# KiCad board ISA65816.kicad_pcb
title: FPGA Console board; company: Finitron
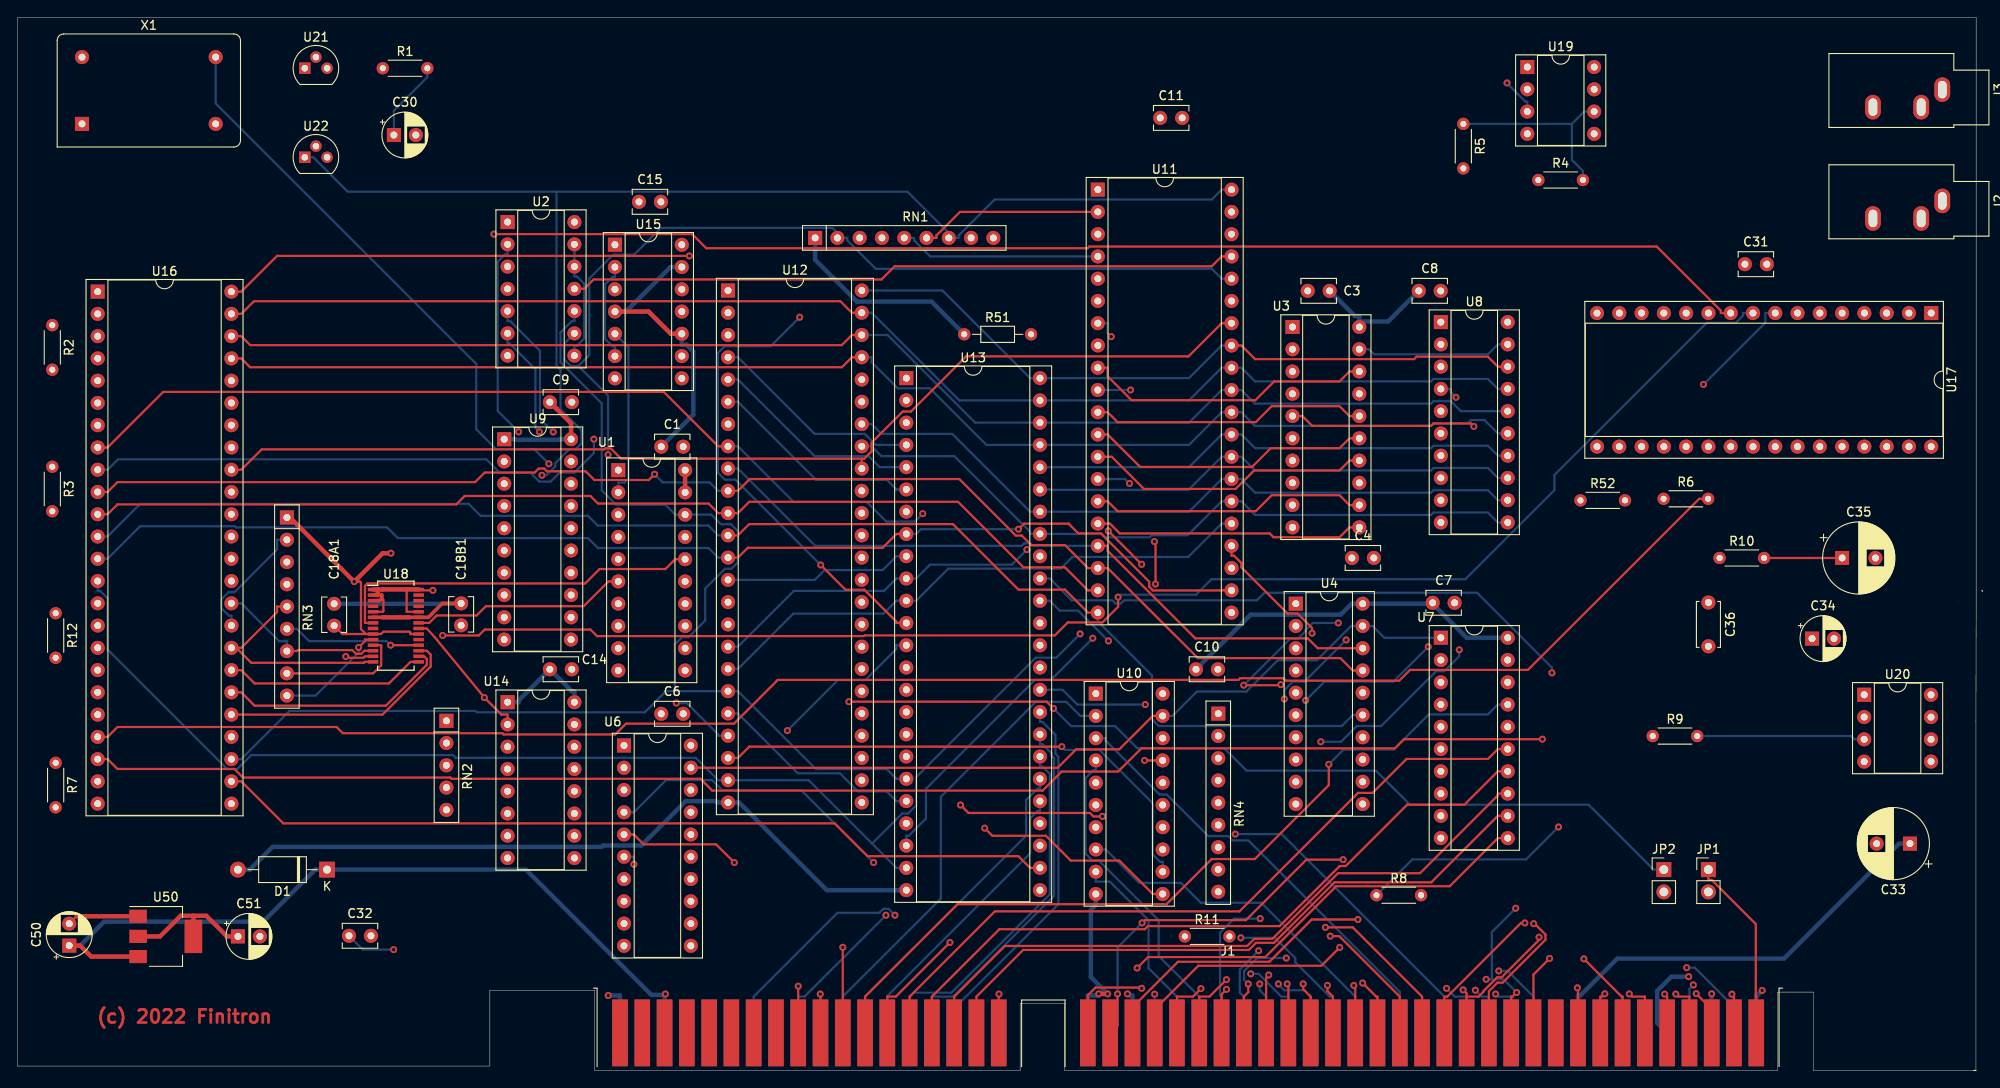
[diagram p0: board, top side]
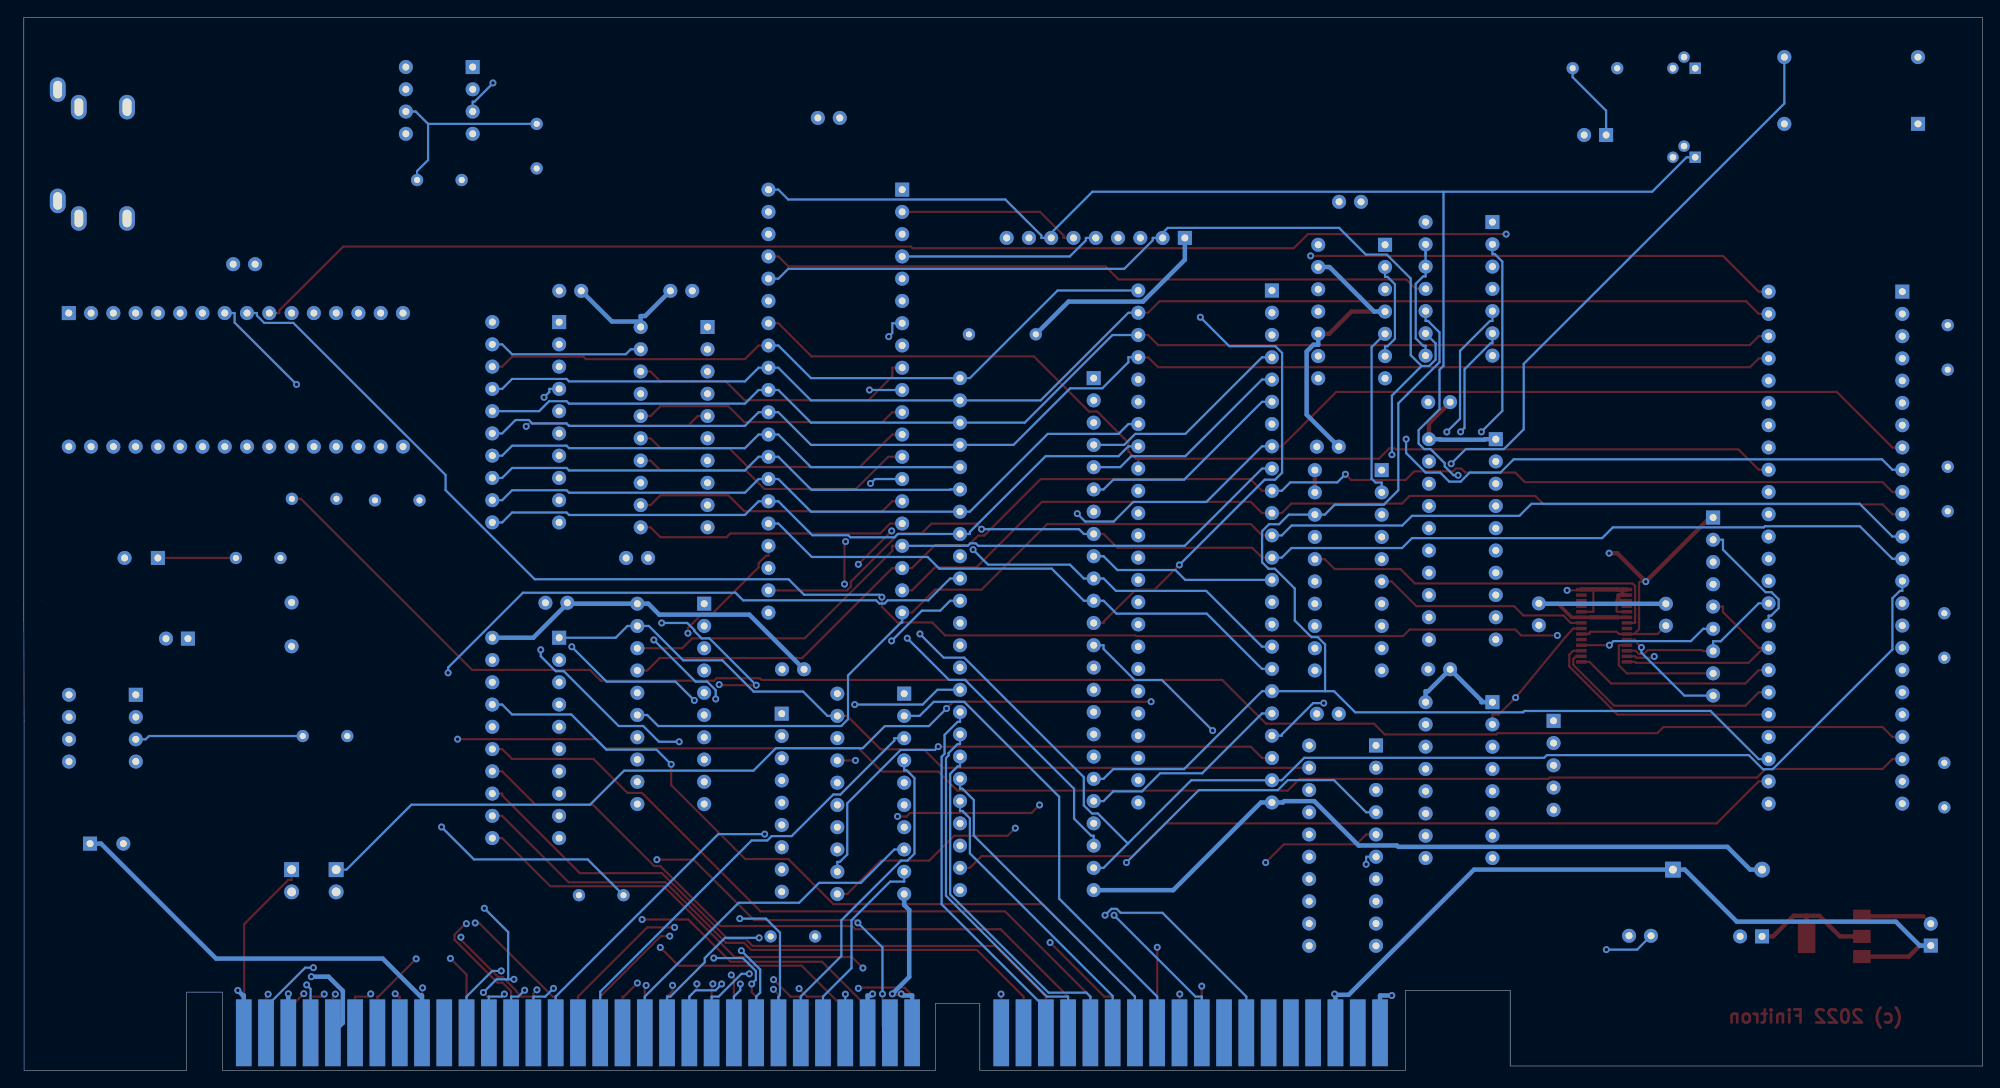
[diagram p1: board, bottom side, seen from below]

Outline 224.01 x 120.14 mm; copper layers: Top, In1.Cu, In2.Cu, Bottom. Coordinates in mm from the lower left corner of the outline.
Outline path: 0,120.14 223.29,120.14 223.29,52.96 223.27,39.88 223.27,0 204.72,0 204.72,8.94 200.66,8.94 200.66,0 119.38,0 119.38,7.65 114.3,7.65 114.3,0 65.79,0 65.79,9.14 53.85,9.14 53.85,0.51 0,0.51 0,120.14
Stack: Top 0.035mm / dielectric 0.48mm FR4 er 4.5 / In1.Cu 0.035mm / dielectric 1.51mm FR4 er 4.5 / In2.Cu 0.035mm / dielectric 1.51mm FR4 er 4.5 / Bottom 0.035mm

## Placement (name value [footprint] x y rotation side)
C1  0.1u  [C_Disc_D3.8mm_W2.6mm_P2.50mm]  73.39 71.18 0 top
C3  0.1u  [C_Disc_D3.8mm_W2.6mm_P2.50mm]  149.59 88.96 180 top
C4  0.1u  [C_Disc_D3.8mm_W2.6mm_P2.50mm]  152.13 58.48 0 top
C6  0.1u  [C_Disc_D3.8mm_W2.6mm_P2.50mm]  73.39 40.7 0 top
C7  0.1u  [C_Disc_D3.8mm_W2.6mm_P2.50mm]  161.33 53.37 0 top
C8  0.1u  [C_Disc_D3.8mm_W2.6mm_P2.50mm]  159.75 88.96 0 top
C9  0.1u  [C_Disc_D3.8mm_W2.6mm_P2.50mm]  60.69 76.26 0 top
C10  0.1u  [C_Disc_D3.8mm_W2.6mm_P2.50mm]  134.35 45.78 0 top
C11  0.1u  [C_Disc_D3.8mm_W2.6mm_P2.50mm]  130.27 108.69 0 top
C14  0.1u  [C_Disc_D3.8mm_W2.6mm_P2.50mm]  60.69 45.78 0 top
C15  0.1u  [C_Disc_D3.8mm_W2.6mm_P2.50mm]  70.85 99.12 0 top
C18A1  0.01u  [C_Disc_D3.8mm_W2.6mm_P2.50mm]  36.09 50.75 90 top
C18B1  0.01u  [C_Disc_D3.8mm_W2.6mm_P2.50mm]  50.57 53.29 270 top
C30  100u  [CP_Radial_D5.0mm_P2.50mm]  42.91 106.74 0 top
C31  0.1u  [C_Disc_D3.8mm_W2.6mm_P2.50mm]  196.93 92 0 top
C32  0.047u  [C_Disc_D3.8mm_W2.6mm_P2.50mm]  37.79 15.37 0 top
C33  100u  [CP_Radial_D8.0mm_P3.80mm]  215.75 25.88 180 top
C34  10u  [CP_Radial_D5.0mm_P2.50mm]  204.59 49.28 0 top
C35  220u  [CP_Radial_D8.0mm_P3.80mm]  208.01 58.48 0 top
C36  0.047u  [C_Disc_D5.0mm_W2.5mm_P5.00mm]  192.77 53.4 270 top
C50  10u  [CP_Radial_D5.0mm_P2.50mm]  5.89 14.25 90 top
C51  10u  [CP_Radial_D5.0mm_P2.50mm]  25.13 15.3 0 top
D1  DIODE  [D_A-405_P10.16mm_Horizontal]  35.29 22.92 180 top
J1  Bus_ISA_16bit  [BUS_AT]  198.22 4.29 0 top
J2  Audio In  [Jack_3.5mm_CUI_SJ1-3533NG_Horizontal]  219.43 99.22 270 top
J3  AudioJack2  [Jack_3.5mm_CUI_SJ1-3533NG_Horizontal]  219.43 111.92 270 top
JP1  Jumper_2_Open  [PinHeader_1x02_P2.54mm_Vertical]  192.77 22.92 0 top
JP2  Jumper_2_Bridged  [PinHeader_1x02_P2.54mm_Vertical]  187.69 22.92 0 top
R1  2k2  [R_Axial_DIN0204_L3.6mm_D1.6mm_P5.08mm_Horizontal]  41.64 114.36 0 top
R2  10k  [R_Axial_DIN0204_L3.6mm_D1.6mm_P5.08mm_Horizontal]  3.96 85.04 270 top
R3  10k  [R_Axial_DIN0204_L3.6mm_D1.6mm_P5.08mm_Horizontal]  3.96 68.88 270 top
R4  220k  [R_Axial_DIN0204_L3.6mm_D1.6mm_P5.08mm_Horizontal]  173.38 101.6 0 top
R5  10k  [R_Axial_DIN0204_L3.6mm_D1.6mm_P5.08mm_Horizontal]  164.83 108.01 270 top
R6  3k3  [R_Axial_DIN0204_L3.6mm_D1.6mm_P5.08mm_Horizontal]  187.66 65.23 0 top
R7  3k3  [R_Axial_DIN0204_L3.6mm_D1.6mm_P5.08mm_Horizontal]  4.34 35.1 270 top
R8  5k1  [R_Axial_DIN0204_L3.6mm_D1.6mm_P5.08mm_Horizontal]  154.93 20 0 top
R9  5k1  [R_Axial_DIN0204_L3.6mm_D1.6mm_P5.08mm_Horizontal]  186.42 38.16 0 top
R10  10  [R_Axial_DIN0204_L3.6mm_D1.6mm_P5.08mm_Horizontal]  194.04 58.48 0 top
R11  10k  [R_Axial_DIN0204_L3.6mm_D1.6mm_P5.08mm_Horizontal]  133.08 15.3 0 top
R12  3k3  [R_Axial_DIN0204_L3.6mm_D1.6mm_P5.08mm_Horizontal]  4.34 52.17 270 top
R51  2.2k  [R_Axial_DIN0204_L3.6mm_D1.6mm_P7.62mm_Horizontal]  107.93 84 0 top
R52  10k  [R_Axial_DIN0204_L3.6mm_D1.6mm_P5.08mm_Horizontal]  178.18 65.05 0 top
RN1  3k3  [R_Array_SIP9]  90.93 95 0 top
RN2  3k3  [R_Array_SIP5]  48.89 39.9 270 top
RN3  3k3  [R_Array_SIP9]  30.71 63.09 270 top
RN4  10k  [R_Array_SIP9]  136.89 40.71 270 top
U1  74LS240_Split  [DIP-20_W7.62mm_Socket]  68.49 68.5 0 top
U2  74LVC00  [DIP-14_W7.62mm_Socket]  55.86 96.8 0 top
U3  74LVC245  [DIP-20_W7.62mm_Socket]  145.35 84.83 0 top
U4  74LVC245  [DIP-20_W7.62mm_Socket]  145.73 53.26 0 top
U6  74LVC245  [DIP-20_W7.62mm_Socket]  69.14 37.08 0 top
U7  74LVC573  [DIP-20_W7.62mm_Socket]  162.27 49.37 0 top
U8  74LVC245  [DIP-20_W7.62mm_Socket]  162.27 85.39 0 top
U9  74LVC245  [DIP-20_W7.62mm_Socket]  55.48 72.03 0 top
U10  74LVC245  [DIP-20_W7.62mm_Socket]  122.93 43 0 top
U11  W65C816SP  [DIP-40_W15.24mm_Socket]  123.16 100.5 0 top
U12  CModA7  [DIP-48_W15.24mm_Socket]  81 89 0 top
U13  CModA7  [DIP-48_W15.24mm_Socket]  101.32 79 0 top
U14  74LVC163  [DIP-16_W7.62mm_Socket]  55.86 42.02 0 top
U15  74LVC74  [DIP-14_W7.62mm_Socket]  68.11 94.21 0 top
U16  CModA7  [DIP-48_W15.24mm_Socket]  9.14 88.86 0 top
U17  VDIP2-32  [DIP-32_W15.24mm_Socket]  218.17 86.42 270 top
U18  ICS525R-02  [SSOP-28_3.9x9.9mm_P0.635mm]  43.13 50.75 0 top
U19  LM741  [DIP-8_W7.62mm_Socket]  172.12 114.49 0 top
U20  LM386  [DIP-8_W7.62mm_Socket]  210.53 42.87 0 top
U21  DS1818  [TO-92]  32.75 114.36 0 top
U22  DS1818  [TO-92]  32.75 104.2 0 top
U50  AMS1117-3.3  [SOT-223-3_TabPin2]  16.9 15.3 0 top
X1  14.31818 MHz  [Oscillator_DIP-14]  7.35 108.01 0 top

## Footprints (pads in the part's own frame, mm; a bottom-side part is the same pattern mirrored in y, then rotated)
BUS_AT
  rect 1.78x7.62 smd far side: 1(0,0) 2(-2.54,0) 3(-5.08,0) 4(-7.62,0) 5(-10.16,0) 6(-12.7,0) 7(-15.24,0) 8(-17.78,0) 9(-20.32,0) 10(-22.86,0) 11(-25.4,0) 12(-27.94,0) 13(-30.48,0) 14(-33.02,0) 15(-35.56,0) 16(-38.1,0) 17(-40.64,0) 18(-43.18,0) 19(-45.72,0) 20(-48.26,0) 21(-50.8,0) 22(-53.34,0) 23(-55.88,0) 24(-58.42,0) 25(-60.96,0) 26(-63.5,0) 27(-66.04,0) 28(-68.58,0) 29(-71.12,0) 30(-73.66,0) 31(-76.2,0) 63(-86.36,0) 64(-88.9,0) 65(-91.44,0) 66(-93.98,0) 67(-96.52,0) 68(-99.06,0) 69(-101.6,0) 70(-104.14,0) 71(-106.68,0) 72(-109.22,0) 73(-111.76,0) 74(-114.3,0) 75(-116.84,0) 76(-119.38,0) 77(-121.92,0) 78(-124.46,0) 79(-127,0) 80(-129.54,0)
  rect 1.78x7.62 smd: 32(0,0) 33(-2.54,0) 34(-5.08,0) 35(-7.62,0) 36(-10.16,0) 37(-12.7,0) 38(-15.24,0) 39(-17.78,0) 40(-20.32,0) 41(-22.86,0) 42(-25.4,0) 43(-27.94,0) 44(-30.48,0) 45(-33.02,0) 46(-35.56,0) 47(-38.1,0) 48(-40.64,0) 49(-43.18,0) 50(-45.72,0) 51(-48.26,0) 52(-50.8,0) 53(-53.34,0) 54(-55.88,0) 55(-58.42,0) 56(-60.96,0) 57(-63.5,0) 58(-66.04,0) 59(-68.58,0) 60(-71.12,0) 61(-73.66,0) 62(-76.2,0) 81(-86.36,0) 82(-88.9,0) 83(-91.44,0) 84(-93.98,0) 85(-96.52,0) 86(-99.06,0) 87(-101.6,0) 88(-104.14,0) 89(-106.68,0) 90(-109.22,0) 91(-111.76,0) 92(-114.3,0) 93(-116.84,0) 94(-119.38,0) 95(-121.92,0) 96(-124.46,0) 97(-127,0) 98(-129.54,0)
C_Disc_D3.8mm_W2.6mm_P2.50mm
  round 1.6 hole 0.8: 1(0,0) 2(2.5,0)
C_Disc_D5.0mm_W2.5mm_P5.00mm
  round 1.6 hole 0.8: 1(0,0) 2(5,0)
CP_Radial_D5.0mm_P2.50mm
  rect 1.6x1.6 hole 0.8: 1(0,0)
  round 1.6 hole 0.8: 2(2.5,0)
CP_Radial_D8.0mm_P3.80mm
  rect 1.6x1.6 hole 0.8: 1(0,0)
  round 1.6 hole 0.8: 2(3.8,0)
D_A-405_P10.16mm_Horizontal
  rect 1.8x1.8 hole 0.9: 1(0,0)
  oval 1.8x1.8 hole 0.9: 2(10.16,0)
DIP-8_W7.62mm_Socket
  rect 1.6x1.6 hole 0.8: 1(0,0)
  oval 1.6x1.6 hole 0.8: 2(0,-2.54) 3(0,-5.08) 4(0,-7.62) 5(7.62,-7.62) 6(7.62,-5.08) 7(7.62,-2.54) 8(7.62,0)
DIP-14_W7.62mm_Socket
  rect 1.6x1.6 hole 0.8: 1(0,0)
  oval 1.6x1.6 hole 0.8: 2(0,-2.54) 3(0,-5.08) 4(0,-7.62) 5(0,-10.16) 6(0,-12.7) 7(0,-15.24) 8(7.62,-15.24) 9(7.62,-12.7) 10(7.62,-10.16) 11(7.62,-7.62) 12(7.62,-5.08) 13(7.62,-2.54) 14(7.62,0)
DIP-16_W7.62mm_Socket
  rect 1.6x1.6 hole 0.8: 1(0,0)
  oval 1.6x1.6 hole 0.8: 2(0,-2.54) 3(0,-5.08) 4(0,-7.62) 5(0,-10.16) 6(0,-12.7) 7(0,-15.24) 8(0,-17.78) 9(7.62,-17.78) 10(7.62,-15.24) 11(7.62,-12.7) 12(7.62,-10.16) 13(7.62,-7.62) 14(7.62,-5.08) 15(7.62,-2.54) 16(7.62,0)
DIP-20_W7.62mm_Socket
  rect 1.6x1.6 hole 0.8: 1(0,0)
  oval 1.6x1.6 hole 0.8: 2(0,-2.54) 3(0,-5.08) 4(0,-7.62) 5(0,-10.16) 6(0,-12.7) 7(0,-15.24) 8(0,-17.78) 9(0,-20.32) 10(0,-22.86) 11(7.62,-22.86) 12(7.62,-20.32) 13(7.62,-17.78) 14(7.62,-15.24) 15(7.62,-12.7) 16(7.62,-10.16) 17(7.62,-7.62) 18(7.62,-5.08) 19(7.62,-2.54) 20(7.62,0)
DIP-32_W15.24mm_Socket
  rect 1.6x1.6 hole 0.8: 1(0,0)
  oval 1.6x1.6 hole 0.8: 2(0,-2.54) 3(0,-5.08) 4(0,-7.62) 5(0,-10.16) 6(0,-12.7) 7(0,-15.24) 8(0,-17.78) 9(0,-20.32) 10(0,-22.86) 11(0,-25.4) 12(0,-27.94) 13(0,-30.48) 14(0,-33.02) 15(0,-35.56) 16(0,-38.1) 17(15.24,-38.1) 18(15.24,-35.56) 19(15.24,-33.02) 20(15.24,-30.48) 21(15.24,-27.94) 22(15.24,-25.4) 23(15.24,-22.86) 24(15.24,-20.32) 25(15.24,-17.78) 26(15.24,-15.24) 27(15.24,-12.7) 28(15.24,-10.16) 29(15.24,-7.62) 30(15.24,-5.08) 31(15.24,-2.54) 32(15.24,0)
DIP-40_W15.24mm_Socket
  rect 1.6x1.6 hole 0.8: 1(0,0)
  oval 1.6x1.6 hole 0.8: 2(0,-2.54) 3(0,-5.08) 4(0,-7.62) 5(0,-10.16) 6(0,-12.7) 7(0,-15.24) 8(0,-17.78) 9(0,-20.32) 10(0,-22.86) 11(0,-25.4) 12(0,-27.94) 13(0,-30.48) 14(0,-33.02) 15(0,-35.56) 16(0,-38.1) 17(0,-40.64) 18(0,-43.18) 19(0,-45.72) 20(0,-48.26) 21(15.24,-48.26) 22(15.24,-45.72) 23(15.24,-43.18) 24(15.24,-40.64) 25(15.24,-38.1) 26(15.24,-35.56) 27(15.24,-33.02) 28(15.24,-30.48) 29(15.24,-27.94) 30(15.24,-25.4) 31(15.24,-22.86) 32(15.24,-20.32) 33(15.24,-17.78) 34(15.24,-15.24) 35(15.24,-12.7) 36(15.24,-10.16) 37(15.24,-7.62) 38(15.24,-5.08) 39(15.24,-2.54) 40(15.24,0)
DIP-48_W15.24mm_Socket
  rect 1.6x1.6 hole 0.8: 1(0,0)
  oval 1.6x1.6 hole 0.8: 2(0,-2.54) 3(0,-5.08) 4(0,-7.62) 5(0,-10.16) 6(0,-12.7) 7(0,-15.24) 8(0,-17.78) 9(0,-20.32) 10(0,-22.86) 11(0,-25.4) 12(0,-27.94) 13(0,-30.48) 14(0,-33.02) 15(0,-35.56) 16(0,-38.1) 17(0,-40.64) 18(0,-43.18) 19(0,-45.72) 20(0,-48.26) 21(0,-50.8) 22(0,-53.34) 23(0,-55.88) 24(0,-58.42) 25(15.24,-58.42) 26(15.24,-55.88) 27(15.24,-53.34) 28(15.24,-50.8) 29(15.24,-48.26) 30(15.24,-45.72) 31(15.24,-43.18) 32(15.24,-40.64) 33(15.24,-38.1) 34(15.24,-35.56) 35(15.24,-33.02) 36(15.24,-30.48) 37(15.24,-27.94) 38(15.24,-25.4) 39(15.24,-22.86) 40(15.24,-20.32) 41(15.24,-17.78) 42(15.24,-15.24) 43(15.24,-12.7) 44(15.24,-10.16) 45(15.24,-7.62) 46(15.24,-5.08) 47(15.24,-2.54) 48(15.24,0)
Jack_3.5mm_CUI_SJ1-3533NG_Horizontal
  oval 2.8x1.8 hole 2x1: R(2,-7.9) S(0,0) T(2,-2.4)
Oscillator_DIP-14
  rect 1.6x1.6 hole 0.8: 1(0,0)
  round 1.6 hole 0.8: 7(15.24,0) 8(15.24,7.62) 14(0,7.62)
PinHeader_1x02_P2.54mm_Vertical
  rect 1.7x1.7 hole 1: 1(0,0)
  oval 1.7x1.7 hole 1: 2(0,-2.54)
R_Array_SIP5
  rect 1.6x1.6 hole 0.8: 1(0,0)
  oval 1.6x1.6 hole 0.8: 2(2.54,0) 3(5.08,0) 4(7.62,0) 5(10.16,0)
R_Array_SIP9
  rect 1.6x1.6 hole 0.8: 1(0,0)
  oval 1.6x1.6 hole 0.8: 2(2.54,0) 3(5.08,0) 4(7.62,0) 5(10.16,0) 6(12.7,0) 7(15.24,0) 8(17.78,0) 9(20.32,0)
R_Axial_DIN0204_L3.6mm_D1.6mm_P5.08mm_Horizontal
  round 1.4 hole 0.7: 1(0,0)
  oval 1.4x1.4 hole 0.7: 2(5.08,0)
R_Axial_DIN0204_L3.6mm_D1.6mm_P7.62mm_Horizontal
  round 1.4 hole 0.7: 1(0,0)
  oval 1.4x1.4 hole 0.7: 2(7.62,0)
SOT-223-3_TabPin2
  rect 2x1.5 smd: 1(-3.15,2.3) 2(-3.15,0) 3(-3.15,-2.3)
  rect 2x3.8 smd: 2(3.15,0)
SSOP-28_3.9x9.9mm_P0.635mm
  rect 1.2x0.4 smd: 1(-2.6,4.128) 2(-2.6,3.493) 3(-2.6,2.857) 4(-2.6,2.223) 5(-2.6,1.587) 6(-2.6,0.953) 7(-2.6,0.318) 8(-2.6,-0.318) 9(-2.6,-0.953) 10(-2.6,-1.587) 11(-2.6,-2.223) 12(-2.6,-2.857) 13(-2.6,-3.493) 14(-2.6,-4.128) 15(2.6,-4.128) 16(2.6,-3.493) 17(2.6,-2.857) 18(2.6,-2.223) 19(2.6,-1.587) 20(2.6,-0.953) 21(2.6,-0.318) 22(2.6,0.318) 23(2.6,0.953) 24(2.6,1.587) 25(2.6,2.223) 26(2.6,2.857) 27(2.6,3.493) 28(2.6,4.128)
TO-92
  rect 1.3x1.3 hole 0.75: 1(0,0)
  round 1.3 hole 0.75: 2(1.27,1.27) 3(2.54,0)

## Nets
+3.3V: C1.1 C3.1 C4.1 C6.1 C7.1 C8.1 C9.1 C10.1 C11.1 C14.1 C15.1 C18A1.2 C18B1.1 C51.1 R1.1 R6.1 R7.1 R12.1 R51.1 RN1.1 RN2.1 RN4.1 U1.19 U1.20 U2.14 U3.20 U4.20 U6.20 U7.20 U8.20 U9.1 U9.20 U10.20 U11.8 U14.1 U14.7 U14.10 U14.16 U15.1 U15.4 U15.10 U15.13 U15.14 U18.6 U18.23 U21.2 U50.2
+5V: C50.1 D1.1 J1.3 J1.29 J1.78 U17.1 U19.7 U50.3 X1.1 X1.14
+12V: C33.1 J1.9 U20.6
-5V: J1.5 U19.4
/Clkgen/V1: RN3.8 U16.35 U18.11
/Clkgen/V2: RN3.7 U16.34 U18.12
/Clkgen/V3: RN3.2 U16.33 U18.13
/Clkgen/V4: RN3.5 U16.32 U18.14
/Clkgen/V5: RN3.4 U16.31 U18.15
/Clkgen/V6: RN3.3 U16.30 U18.16
/Clkgen/V7: R12.2 U16.29 U18.17
/Clkgen/V8: RN3.6 U16.28 U18.18
GND: C1.2 C3.2 C4.2 C6.2 C7.2 C8.2 C9.2 C10.2 C11.2 C14.2 C15.2 C18A1.1 C18B1.2 C30.2 C32.2 C33.2 C36.2 C50.2 C51.2 J1.1 J1.31 J1.80 J2.S J3.S R2.1 R3.1 R9.1 R11.2 R52.2 RN3.1 U1.1 U1.10 U1.11 U1.13 U1.15 U1.17 U2.7 U3.1 U3.10 U4.1 U4.10 U6.1 U6.10 U7.10 U8.10 U9.10 U9.19 U10.1 U10.10 U11.21 U12.25 U13.25 U14.8 U15.7 U15.11 U15.12 U16.25 U17.4 U17.5 U17.7 U17.18 U18.1 U18.2 U18.3 U18.5 U18.9 U18.20 U18.24 U18.28 U20.2 U20.4 U21.3 U22.3 U50.1 X1.7
/A0: J1.62 U3.2
/A1: J1.61 U3.3
/A2: J1.60 U3.4
/A3: J1.59 U3.5
/A4: J1.58 U3.6
/A5: J1.57 U3.7
/A6: J1.56 U3.8
/A7: J1.55 U3.9
/A8: J1.54 U4.2
/A9: J1.53 U4.3
/A10: J1.52 U4.4
/A11: J1.51 U4.5
/A12: J1.50 U4.6
/A13: J1.49 U4.7
/A14: J1.48 U4.8
/A15: J1.47 U4.9
/A16: J1.46 U7.19
/A17: J1.45 J1.88 U7.18
/A18: J1.44 J1.87 U7.17
/A19: J1.43 J1.86 U7.16
/A20: J1.85 U7.15
/A21: J1.84 U7.14
/A22: J1.83 U7.13
/A23: J1.82 U7.12
/ABORTB: RN1.3 U11.3
/AEN: J1.42 R52.1 U3.19 U4.19 U6.19 U7.1 U8.19 U10.19
/ALE: J1.28 U6.8
/BE: RN1.2 U2.9 U11.36 U12.21
/Clkgen/ANAIN: R5.2 U16.15
/Clkgen/AUD: C32.1 R8.2 U16.23
/Clkgen/CTS0: U16.19 U17.9
/Clkgen/GCLK: U2.2 U14.2 U18.21
/Clkgen/Q1: RN2.2 U14.3 U16.39
/Clkgen/Q2: RN2.3 U14.4 U16.38
/Clkgen/Q3: RN2.4 U14.5 U16.37
/Clkgen/Q4: RN2.5 U14.6 U16.36
/Clkgen/RTS0: U16.20 U17.10
/Clkgen/RxD0: U16.17 U17.6
/Clkgen/TxD0: U16.18 U17.8
/Clkgen/VPROG: R7.2 U16.22 U17.23
/Clkgen/VRESET: R6.2 U16.21 U17.22
/D0: J1.40 U8.2
/D1: J1.39 U8.3
/D2: J1.38 U8.4
/D3: J1.37 U8.5
/D4: J1.36 U8.6
/D5: J1.35 U8.7
/D6: J1.34 U8.8
/D7: J1.33 U8.9
/DACK0*: RN4.2 U10.18 U12.38
/DACK1*: RN4.3 U10.17 U12.36
/DACK2*: RN4.4 U10.16 U12.34
/DACK3*: RN4.5 U10.15 U12.32
/DACK5*: RN4.6 U10.14 U12.30
/DACK6*: RN4.7 U10.13 U12.28
/DRQ0: U9.18 U12.39
/DRQ1: U9.17 U12.37
/DRQ2: U9.16 U12.35
/DRQ3: U9.15 U12.33
/DRQ5: U9.14 U12.31
/DRQ6: U9.13 U12.29
/IOR*: J1.14 U6.4
/IORDU*: U6.16 U13.28
/IOW*: J1.13 U6.5
/IOWRU*: U6.15 U13.27
/IRQ2*: J1.4 U13.39
/IRQ3*: J1.25 U13.38
/IRQ4*: J1.24 U13.37
/IRQ5*: J1.23 U13.36
/IRQ6*: J1.22 U13.35
/IRQ7*: J1.21 U13.34
/IRQ9*: U12.20 U13.20
/IRQ10*: J1.65 U13.33
/IRQ11*: J1.66 U13.32
/IRQ12*: J1.67 U13.31
/IRQ14*: J1.69 U13.30
/IRQ15*: J1.68 U13.29
/IRQ*: RN1.5 U11.4 U13.12
/MEMR*: J1.89 U6.2
/MEMRU*: U6.18 U13.13
/MEMW*: J1.90 U6.3
/MEMWU*: U6.17 U13.14
/MLB: U11.5
/NMI*: JP1.2 R51.2 U11.6
/NMIB: RN1.4 U21.1
/OSC: J1.30
/RDY: RN1.6 U11.2
/REFRESH*: RN4.8 U10.12 U12.22
/RESET: JP2.1 U1.12
/SBHE: J1.81 U6.9
/SMEMR*: J1.12 U6.6
/SMEMRDU*: U6.14
/SMEMRU*: U13.17
/SMEMW*: J1.11 U6.7
/SMEMWRU*: U6.13
/SMEMWU*: U13.18
/TC: R11.1 U10.11 U12.27
/VPA: U11.7 U13.22
/VPB: U13.21
/VPB*: U11.1
/XDACK0*: J1.70 U10.2
/XDACK1*: J1.17 U10.3
/XDACK2*: J1.26 U10.4
/XDACK3*: J1.15 U10.5
/XDACK5*: J1.72 U10.6
/XDACK6*: J1.74 U10.7
/XDRQ0: U9.2
/XDRQ0*: J1.71
/XDRQ1: U9.3
/XDRQ1*: J1.18
/XDRQ2: U9.4
/XDRQ2*: J1.6
/XDRQ3: U9.5
/XDRQ3*: J1.16
/XDRQ5: U9.6
/XDRQ5*: J1.73
/XDRQ6: U9.7
/XDRQ6*: J1.75
/XREFRESH*: J1.19 U10.8
/XTC: J1.27 U10.9
BA0: U7.2 U8.18 U11.33 U12.48 U13.48 U16.48
BA1: U7.3 U8.17 U11.32 U12.47 U13.47 U16.47
BA2: U7.4 U8.16 U11.31 U12.46 U13.46 U16.46
BA3: U7.5 U8.15 U11.30 U12.45 U13.45 U16.45
BA4: U7.6 U8.14 U11.29 U12.44 U13.44 U16.44
BA5: U7.7 U8.13 U11.28 U12.43 U13.43 U16.43
BA6: U7.8 U8.12 U11.27 U12.42 U13.42 U16.42
BA7: U7.9 U8.11 U11.26 U12.41 U13.41 U16.41
IRQ1*: U13.26 U16.26
OSC: U1.14
PH1: U1.2 U6.12 U7.11 U15.5
PH2: J1.20 U1.18 U2.10 U12.19 U13.19 U16.27
RESB: RN1.7 U1.8 U11.40 U22.1
RWB: U8.1 U11.34 U12.40 U13.40 U16.40
VDA: U11.39 U12.23 U13.23 U16.14
VU: D1.2 U12.24 U13.24 U16.24
WA0: U3.18 U11.9 U12.1 U13.1 U16.1
WA1: U3.17 U11.10 U12.2 U13.2 U16.2
WA2: U3.16 U11.11 U12.3 U13.3 U16.3
WA3: U3.15 U11.12 U12.4 U13.4 U16.4
WA4: U3.14 U11.13 U12.5 U13.5 U16.5
WA5: U3.13 U11.14 U12.6 U13.6 U16.6
WA6: U3.12 U11.15 U12.7 U13.7 U16.7
WA7: U3.11 U11.16 U12.8 U16.8
WA8: U4.18 U11.17 U12.9 U16.9
WA9: U4.17 U11.18 U12.10 U16.10
WA10: U4.16 U11.19 U12.11 U16.11
WA11: U4.15 U11.20 U12.12 U16.12
WA12: U4.14 U11.22 U12.13 U13.8 U16.13
WA13: U4.13 U11.23 U12.14 U13.9
WA14: U4.12 U11.24 U12.17 U13.10
WA15: U4.11 U11.25 U12.18 U13.11
Net-(C30-Pad1): C30.1 R1.2 U22.2
Net-(C31-Pad1): C31.1 J2.T
Net-(C31-Pad2): C31.2 R3.2 U19.2
Net-(C34-Pad1): C34.1 U20.1
Net-(C34-Pad2): C34.2 U20.8
Net-(C35-Pad1): C35.1 R10.2 U20.5
Net-(C35-Pad2): C35.2 J3.T
Net-(C36-Pad1): C36.1 R10.1
Net-(J1-Pad2): J1.2 JP2.2
Net-(J1-Pad32): J1.32 JP1.1
Net-(R2-Pad2): R2.2 R4.1 U19.3
Net-(R4-Pad2): R4.2 R5.1 U19.6
Net-(R8-Pad1): R8.1 R9.2 U20.3
Net-(RN3-Pad9): RN3.9 U18.10
Net-(U1-Pad4): U1.4 X1.8
Net-(U1-Pad6): U1.6 U18.22
Net-(U1-Pad16): U1.16 U18.7
Net-(U2-Pad12): U2.8 U2.12 U2.13
Net-(U11-Pad37): U2.11 U11.37
Net-(U14-Pad9): U2.6 U14.9
Net-(U14-Pad15): U2.1 U2.4 U2.5 U14.15
Net-(U15-Pad2): U15.2 U15.6
Net-(U15-Pad3): U2.3 U15.3

Pads without a net: J1 7 8 10 41 63 64 76 77 79 91 92 93 94 95 96 97 98; J2 R; J3 R; RN1 8 9; RN4 9; U1 3 5 7 9; U6 11; U9 8 9 11 12; U11 35 38; U12 15 16 26; U13 15 16; U14 11 12 13 14; U15 8 9; U16 16; U17 2 3 11 12 13 14 15 16 17 19 20 21 24 25 26 27 28 29 30 31 32; U18 4 8 19 25 26 27; U19 1 5 8; U20 7

## Via types
v1: diameter 0.8, hole 0.4, Top to Bottom, 131 vias

## Routing (per net, layer and track width the routed paths; a pad name or vN(x,y) marks a point on that pad's centre or on a via; arc(x,y) is an arc through that point)
+3.3V: length 593.2
  Top w0.4: 41.58,51.7 U18.6 ; 44.68,51.7 U18.23 46.83,51.7 48.42,53.29 C18B1.1
  Top w0.504: 20.05,17.65 21.52,17.65 23.88,15.3 25.13,15.3 C51.1 ; 20.05,17.65 U50.2 ; 20.05,17.65 18.6,17.65 16.24,15.3 13.75,15.3 U50.2 ; 61.49,75.46 C9.1 61.49,75.46 ; 61.49,75.46 63.1,73.84 U9.20 ; U15.10 74.47,84.05 71.94,86.59 U15.4 ; U1.20 U1.19 ; 41.58,51.7 44.68,51.7
  In1.Cu w0.504: 169.26,85.39 U8.20 ; 169.26,85.39 169.88,85.39 169.88,84.14 170.43,84.14 181.34,73.23 181.34,70.63 186.74,65.23 187.2,65.23 ; 169.26,85.39 168.63,85.39 167.38,86.64 162.06,86.64 C8.1 ; 76.35,94.21 76.98,94.21 77.76,95 RN1.1 ; 76.35,94.21 75.75,94.21 ; 76.35,94.21 75.73,93.59 U15.13 ; U9.1 55.48,70.78 54.94,70.78 50.57,66.41 C18B1.1 49.32,52.04 49.32,41.69 ; 76.76,37.71 U6.20 76.76,37.71 ; 76.76,37.71 76.76,38.34 75.75,38.34 73.39,40.7 ; 152.13,57.1 152.13,55.73 153.35,54.51 U4.20 ; 152.13,57.1 C4.1 152.13,57.11 152.13,57.1 ; R7.1 3.19,36.25 3.19,51.02 R12.1 ; R7.1 3.76,34.52 ; R7.1 3.76,34.52 ; 73.39,40.7 72.06,42.02 U14.16 ; 73.39,40.7 C6.1 ; 187.2,65.23 R6.1 ; 187.2,65.23 R6.1 ; R6.1 171.8,49.37 169.89,49.37 ; 3.76,34.52 3.18,33.94 3.18,29.54 17.42,15.3 25.13,15.3 C51.1 26.44,13.98 41.82,13.98 54.61,26.78 U14.7 57.19,26.78 ; U10.20 130.55,43 131.8,43 131.8,43.23 134.35,45.78 C10.1 134.35,44.5 136.89,41.96 136.89,41.34 ; 69.57,97.84 C15.1 ; 69.57,97.84 67.65,95.92 ; 69.57,97.84 C15.1 ; C15.1 75.75,94.21 ; R51.1 109.2,82.72 U11.8 123.16,83.98 123.7,83.98 130.78,91.05 ; C11.1 130.27,91.56 130.78,91.05 ; 75.75,94.21 U15.14 ; 57.19,26.78 57.19,40 56.41,40.77 55.86,40.77 U14.1 54.61,42.02 54.28,41.69 49.32,41.69 ; 57.19,26.78 U14.10 ; U15.1 68.11,95.47 67.65,95.92 ; 136.89,41.34 RN4.1 136.89,41.34 ; 67.65,95.92 66.77,96.8 U2.14 59.19,96.8 R1.1 40.37,115.63 U21.2 ; C3.1 148.33,90.22 146.5,90.22 145.35,89.07 132.76,89.07 130.78,91.05 ; 169.89,49.37 U7.20 ; 169.89,49.37 169.88,49.37 ; U9.20 64.36,72.03 65.21,71.18 C1.1 74.86,69.71 74.86,68.5 U1.20 ; 49.32,41.69 49.32,41.57 48.89,41.15 RN2.1
  Bottom w0.504: C10.1 134.35,45.78 140.58,52.01 150.84,52.01 152.1,53.26 U4.20 161.33,53.26 ; C18B1.1 50.53,53.25 C18A1.2 ; U3.20 152.97,85.46 ; 152.97,85.46 152.97,86.08 152.46,86.08 C3.1 ; 152.97,85.46 156.25,85.46 C8.1 ; 161.33,53.26 C7.1 ; 161.33,53.26 165.22,49.37 169.88,49.37 U7.20 ; C1.1 77.04,74.83 77.04,82.03 76.28,82.8 75.73,82.8 U15.10 ; U14.16 63.48,43.27 63.19,43.27 60.69,45.78 60.24,45.33 ; U9.1 56.74,72.03 56.8,71.97 61.79,71.97 61.85,72.03 U9.20 ; U15.13 74.44,91.67 69.36,86.59 U15.4 ; 60.24,45.33 57.12,42.21 57.12,42.02 U14.1 ; 60.24,45.33 C14.1 ; RN1.1 90.93,92.5 95.71,87.73 104.2,87.73 R51.1
+5V: length 477
  Top w0.504: U50.3 13.75,13 8.4,13 7.15,14.25 C50.1
  In1.Cu w0.504: C50.1 2.46,17.68 2.46,101.87 7.35,106.75 X1.1 X1.14 ; 126.53,7.86 v1(126.53,8.74) ; 126.53,7.86 130.4,3.99 191.96,3.99 196.3,8.34 196.3,9.6 ; 126.53,7.86 121.36,7.86 121.05,8.17 114.14,8.17 112.92,6.95 75.62,6.95 v1(73.85,8.72) ; 179.74,111.33 179.74,110.7 180.29,110.7 195.14,95.84 195.14,91.97 197.12,90 206.28,90 209.28,87.01 209.28,85.89 210.63,84.54 216.92,84.54 ; 179.74,111.33 U19.7 179.74,111.33 ; v1(193.14,8.75) 194,9.6 196.3,9.6 ; 218.17,85.8 218.17,85.17 217.54,84.54 216.92,84.54 ; 218.17,85.8 U17.1 218.17,85.8 ; 216.92,84.54 216.92,69.62 198.12,50.83 198.12,11.42 196.3,9.6
  Bottom w0.504: 35.29,22.92 57.96,22.92 72.25,8.63 73.76,8.63 ; 35.29,22.92 D1.1 ; 35.29,22.92 33.94,22.92 28,16.98 9.87,16.98 7.15,14.25 C50.1 ; J1.78 73.76,4.29 73.76,8.63 ; v1(193.14,8.75) 193.14,4.29 J1.3 ; 73.76,8.63 v1(73.85,8.72) ; J1.29 127.1,4.29 127.1,8.56 126.72,8.56 v1(126.53,8.74)
+12V: length 62.2
  In1.Cu w0.504: U20.6 215.75,35.39 215.75,25.88 C33.1
  Bottom w0.504: J1.9 177.9,4.29 177.9,8.56 178.16,8.56 182.37,12.76 201.38,12.76 214.49,25.88 C33.1
-5V: length 122.7
  In1.Cu w0.504: 172.12,104.64 172.12,101.23 186.42,86.93 186.42,85.27 199.12,72.57 199.12,65.06 197.3,63.24 197.3,17.48 v1(190.52,10.7) ; 172.12,104.64 U19.4 172.12,104.64 172.12,104.64
  Bottom w0.504: v1(190.52,10.7) 188.55,10.7 186.92,9.07 186.92,5.43 188.06,4.29 J1.5